# Altium PCB 2m_DBoard_TX.PcbDoc (part 3 of 5) (continued)
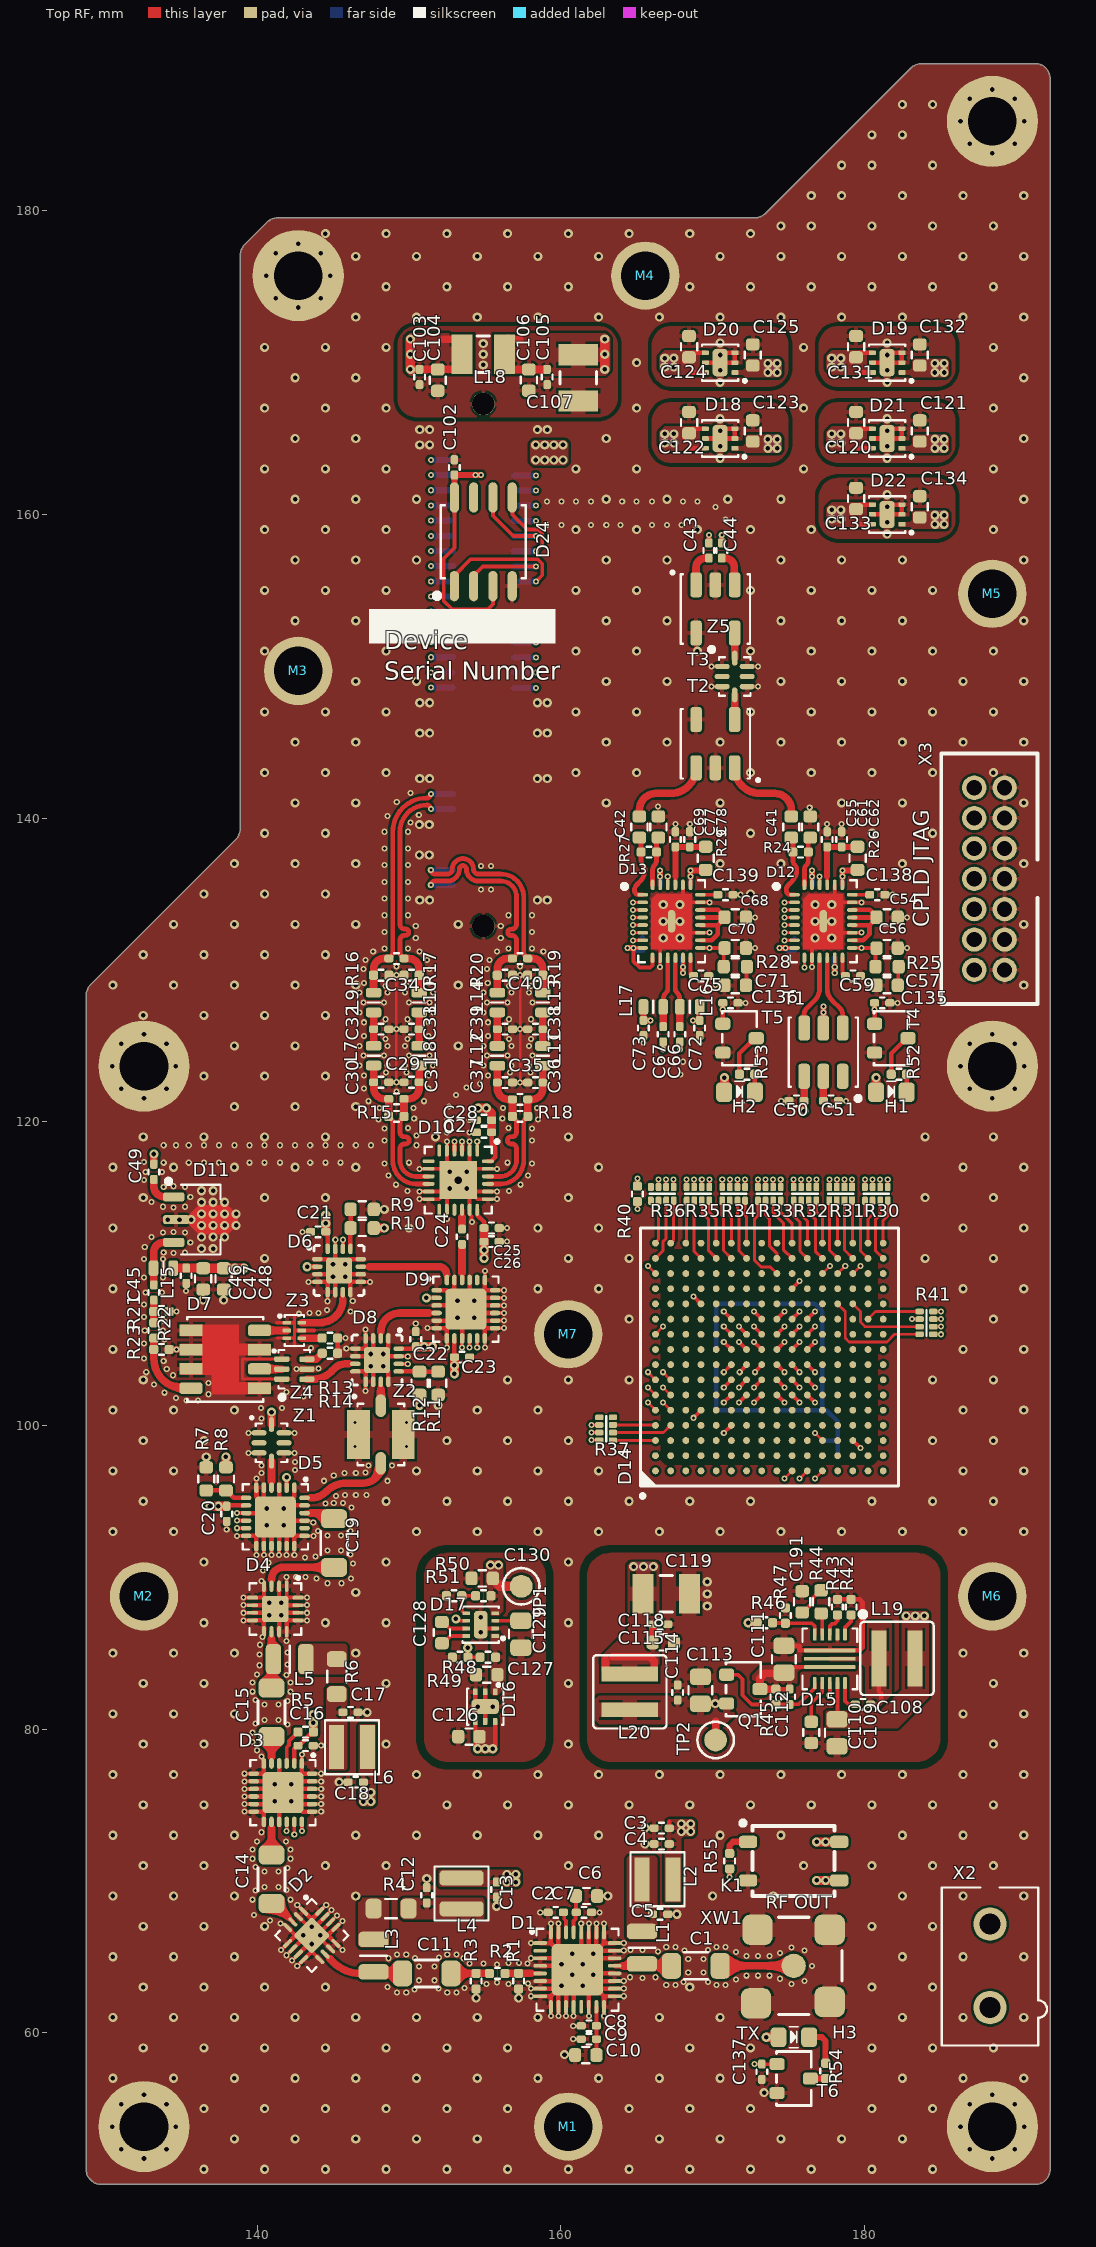
[diagram p0: Top RF view]
## Nets (pads, with @x,y where several pads share a name; then routed paths per layer and width w, separated by ;. In a path a pad name is that pad's centre, name@x,y a point inside that pad or via, vN(x,y) a via of type N, cw(c..) or ccw(c..) an arc to the next point about the centre after c; other vN are vias at no path point) (continued)
  other v2: 160.825,59.575 160.825,60.45 149.225,62.65 149.825,62.65 152.525,62.65 153.125,62.65 150.375,62.85 151.95,62.9 153.65,62.95 148.6,63 166.95,63.15 167.55,63.15 170.25,63.15 170.85,63.15 155.1,63.2 156.55,63.2 175.2,63.2 157.85,63.25 155.8,63.3 168.1,63.35 169.7,63.35 176.05,63.4 150.675,63.45 151.675,63.45 171.55,63.5 174.45,63.55 165.4,63.6 164.55,63.65 166.25,63.65 172.25,63.75 173,63.75 173.75,63.75 168.4,63.95 169.4,63.95 150.675,64.35 151.675,64.35 176.55,64.4 155.8,64.5 154,64.55 154.9,64.55 157.8,64.55 156.55,64.6 157.25,64.6 168.4,64.85 169.4,64.85 148.65,64.9 150.4,64.9 153.6,64.9 151.975,64.95 172.25,65.05 173,65.05 173.75,65.05 149.225,65.15 149.825,65.15 152.525,65.15 153.125,65.15 174.45,65.25 171.55,65.3 166.4,65.35 168.15,65.4 176.05,65.4 164.6,65.45 165.4,65.45 169.7,65.45 175.2,65.6 166.95,65.65 167.55,65.65 170.25,65.65 170.85,65.65 158.05,65.9 141.55,67.2 140.85,67.4 139.8,67.755 158.65,67.925 162.55,67.925 139.7,68.755 142.2,68.755 139.9,69.35 141.95,69.4 140.5,69.605 141.4,69.605 140.5,70.605 141.4,70.605 142,70.855 139.9,70.905 139.7,71.455 142.2,71.455 139.7,72.055 142.2,72.055 140,72.6 141.9,72.6 140.3,73.2 144.225,74.555 144.225,75.055 144.225,75.555 144.225,76.055 144.225,76.555 144.225,77.055 140.3,78.2 140,78.6 144.225,78.905 139.7,79.155 139.7,79.755 142,80.305 139.9,80.355 140.5,80.605 141.4,80.605 140.5,81.605 141.4,81.605 142,81.855 139.9,81.905 139.7,82.455 142.2,82.455 139.7,83.055 142.2,83.055 141.95,83.55 140,83.6 140.15,84.2 142,84.25 140.15,84.9 142,85.05 140.2,85.55 140.35,86.05 144.65,89.6 145.55,89.6 140.3,89.75 143.925,89.9 146.175,89.9 142.55,90 143.2,90 140.4,90.45 146.325,90.9 140.75,90.95 143.15,91.3 143.85,91.35 146.15,91.5 144.625,91.75 145.525,91.75 144.625,92.75 145.525,92.75 144,93.05 146.15,93.05 138,93.15 143.7,93.6 146.325,93.6 146.225,94.6 144.5,94.85 145.05,94.9 145.65,94.9 145.2,95.35 145.8,95.4 146.5,95.4 147.2,95.4 144.4,96.35 148.6,96.35 145.05,96.7 140.3,96.85 145.75,96.85 146.5,96.85 147.15,96.9 142.5,97.05 140.3,97.35 147.35,97.35 148.9,97.35 142.5,97.6 139.425,98.19 142.475,98.19 139.425,99.51 142.475,99.51 140.3,100.45 142.75,100.95 140.25,101.15 141.65,101.15 135.35,101.65 136.1,101.65 134.65,101.8 143.05,101.9 136.8,102.05 133.9,102.15 141.95,102.2 133.2,102.7 136.8,102.8 134.45,103.3 132.7,103.5 171.79,103.5 172.79,103.5 134.05,103.7 142.6,103.7 144.05,103.75 133.85,104.25 132.55,104.4 143.55,105.1 132.55,105.4 133.9,105.65 145.825,105.75 132.6,106.25 133.8,106.25 150.45,106.7 133.9,106.85 132.55,107.15 142.75,107.35 143.45,107.4 144.05,107.4 134.7,107.5 146.15,107.5 144.6,107.6 132.55,107.95 146.3,108.2 132.65,108.75 133.75,108.75 135.331,108.862 132.55,109.75 133.8,109.75 132.55,110.95 133.8,110.95 134.5,111.35 133.85,111.4 135.25,111.4 132.6,111.75 135.6,112.05 156.45,112.1 133.05,112.4 133.8,112.7 135.25,112.7 134.5,112.75 143,112.75 156.45,113 134.5,114.35 133.8,114.4 135.25,114.4 133.05,114.7 135.6,115.05 149.9,115.45 156.6,115.45 133.85,115.7 135.25,115.7 134.5,115.75 149.15,115.85 157.35,115.85 132.55,116.15 148.65,116.45 157.85,116.45 132.65,116.7 133.75,116.7 148.4,117.25 158.1,117.25 133.85,117.3 135.5,117.3 136.5,117.3 137.5,117.3 139.5,117.3 140.5,117.3 141.5,117.3 143.5,117.3 144.5,117.3 145.5,117.3 150,117.3 156.5,117.3 132.55,117.35 133.85,118.45 134.65,118.45 135.5,118.45 136.5,118.45 137.5,118.45 138.5,118.45 139.5,118.45 140.5,118.45 141.5,118.45 142.5,118.45 143.5,118.45 144.5,118.45 145.5,118.45 146.5,118.45 147.5,118.45 150.5,118.45 148.4,118.75 158.1,118.75 150.5,119.1 152.5,119.3 154,119.3 148.4,119.55 158.1,119.55 149.95,119.6 156.55,119.6 152.5,120.1 154,120.1 148,120.15 158.5,120.15 150.35,120.2 156.15,120.2 148.05,120.9 150.3,120.9 156.2,120.9 158.45,120.9 152.65,121 147.35,121.35 151,121.35 174.525,121.375 178.8,121.375 153.1,121.75 149.175,122 147.05,122.2 151.3,122.2 153.8,122.25 154.7,122.5 147.05,123.05 151.3,123.05 155.2,123.05 167.9,123.1 148.5,123.25 149.85,123.25 156.65,123.25 158,123.25 146.75,123.7 148.6,123.7 149.75,123.7 151.6,123.7 154.9,123.7 156.75,123.7 157.9,123.7 166.5,123.95 168.05,123.95 147,124.35 148.35,124.35 150,124.35 151.35,124.35 155.15,124.35 156.5,124.35 158.15,124.35 146.75,125 148.6,125 149.75,125 151.6,125 154.9,125 156.75,125 157.9,125 165.45,125.175 169.15,125.175 148.45,125.45 149.9,125.45 156.6,125.45 158.05,125.45 147.05,125.65 151.3,125.65 155.2,125.65 147.05,126.55 151.3,126.55 155.2,126.55 148.45,126.75 149.9,126.75 156.6,126.75 158.05,126.75 146.75,127.2 151.6,127.2 154.9,127.2 172.175,127.825 182.175,127.825 147,127.85 148.35,127.85 150,127.85 151.35,127.85 155.15,127.85 156.5,127.85 158.15,127.85 146.75,128.5 148.6,128.5 149.75,128.5 151.6,128.5 154.9,128.5 156.75,128.5 157.9,128.5 148.45,128.95 149.9,128.95 156.6,128.95 158.05,128.95 170.2,129 180.2,129 147.042,129.15 151.308,129.15 155.192,129.15 147,130.05 151.35,130.05 155.15,130.05 149.175,130.225 157.325,130.225 147.15,130.65 151.2,130.65 155.3,130.65 147.65,131.2 150.7,131.2 155.8,131.2 158.85,131.2 148.4,131.4 149.95,131.4 156.55,131.4 158.1,131.4 172.8,131.437 182.8,131.437 150.45,132.1 156.05,132.1 148.4,132.5 158.1,132.5 150.45,132.9 156.05,132.9 172.8,133.462 182.8,133.462 148.4,133.6 149.95,133.6 156.55,133.6 158.1,133.6 148.4,134.7 149.95,134.7 171.85,134.95 181.85,134.95 154.75,135.3 155.4,135.3 148.4,135.8 149.95,135.8 154.75,136.85 155.4,136.85 148.4,136.9 149.95,136.9 148.4,138 149.95,138 148.4,139.1 149.95,139.1 167.55,139.6 168.5,139.6 177.55,139.6 178.5,139.6 150.1,139.7 148.6,140.15 150.65,140.2 176.4,140.7 166.4,140.75 149.2,141.05 150.1,141.65 169.934,148.665 172.984,148.665 169.934,149.985 172.984,149.985 159.1,159.3 160.05,159.3 162,159.3 163,159.3 163.95,159.3 166,159.3 167,159.3 167.95,159.3 170.85,159.65 170.2,160.5 159.1,160.85 160.05,160.85 161,160.85 162,160.85 164.05,160.85 165,160.85 166,160.85 168.05,160.85 169,160.85
  other v3: 146.45,98.6 149.85,98.6 146.45,100.2 149.85,100.2
HFREQ_TX: D5.2 D9.2 | length 18.2
  Top RF w0.3: D5.2@141.95,95.9 v1(141.95,96.575) ; v1@151.3,108.4 D9.2@151.825,108.4
  Inner RF w0.35: v1(141.95,96.575) 141.95,98.93 141.95,98.932 cw(c151.288,98.932) 144.686,105.536 145.317,106.167 cw(c150.706,100.782) 150.706,108.4 v1(151.15,108.4)
HFREQ_UPMXD_TX: D8.11 Z2.IN | length 1.6
  Top RF w0.3: 148.15,102.4 D8.11@148.15,102.875
  Top RF w0.5: Z2.IN@148.15,101.3 148.15,102.4
I2C_A0_TX: D24.1 X1.22 | length 9.9
  Top RF w0.25: D24.1@152.995,155.279 152.995,155.979 154.066,157.05 158.488,157.05 158.787,156.751 158.787,156 v2(158.362,155.575)
  Bottom Layer w0.4: X1.22@156.9,155.575 v2(158.362,155.575)
I2C_A1_TX: D24.2 X1.20 | length 6.5
  Top RF w0.25: D24.2@154.265,155.279 154.265,155.979 154.861,156.575 v2(158.362,156.575)
  Bottom Layer w0.4: X1.20@156.9,156.575 v2(158.362,156.575)
IFREQ_LBAND_TX: D8.2 D9.4 | length 4.8
  Top RF w0.3: D8.2@148.15,105.725 148.15,106.154 ; 151.3,107.4 D9.4@151.825,107.4
  Top RF w0.5: 148.15,106.154 cw(c149.4,106.15) 149.4,107.4 151.3,107.4
IFREQ_MBAND_TX: D6.11 D9.24 | length 6.3
  Top RF w0.3: D6.11@146.825,110.45 147.4,110.45 ; 152.481,109.957 cw(c152.481,109.938) 152.5,109.938 D9.24@152.5,109.575
  Top RF w0.5: 147.4,110.45 152,110.45 ; 152.001,110.45 cw(c151.981,109.95) 152.481,109.959 152.481,109.957
JTAG_TCK: R41.6 X3.6 | length 29.6
  Top RF w0.185: R41.6@184.54,106.5 v2(185.04,106.5)
  Inner RF w0.12: v2(185.04,106.5) v2@185.116,106.5
  Signal w0.12: v2(185.04,106.5) 185.049,106.5 185.62,107.071 185.62,107.891 185.281,108.231 185,108.511 185,131.91 187.09,134 X3.6@187.24,134
JTAG_TDI: R41.8 X3.10 | length 32.5
  Top RF w0.185: R41.8@184.54,107.5 v2(185.04,107.5)
  Inner RF w0.12: v2(185.04,107.5) v2@185.116,107.5
  Signal w0.12: v2(185.04,107.5) 185.04,107.849 184.5,108.389 184.5,135.41 187.09,138 X3.10@187.24,138
JTAG_TDO: R41.7 X3.8 | length 31.1
  Top RF w0.185: R41.7@184.54,107 v2(185.04,107)
  Inner RF w0.12: v2(185.04,107) v2@185.116,107
  Signal w0.12: v2(185.04,107) 185.049,107 185.4,107.351 185.4,107.8 185.189,108.011 184.78,108.42 184.75,108.45 184.75,133.66 187.09,136 X3.8@187.24,136
JTAG_TMS: R41.5 X3.4 | length 28.1
  Top RF w0.185: R41.5@184.54,106 v2(185.04,106)
  Inner RF w0.12: v2@185.04,105.93 v2(185.04,106)
  Signal w0.12: v2(185.04,106) 185.049,106 185.84,106.791 185.84,107.982 185.25,108.572 185.25,130.16 187.09,132 X3.4@187.24,132
L/M_path_ctrl1: D8.14 D14.B6 | length 19.4
  Top RF w0.185: v2(166.74,102.5) D14.B6@167.24,102
  Top RF w0.25: D8.14@149.325,104.05 v2(149.925,104.05)
  Signal w0.11: v2(149.925,104.05) 151.019,104.05 153.344,101.725 165.173,101.725 165.593,102.145 166.385,102.145 v2(166.74,102.5)
L/M_path_ctrl2: D6.14 D14.A6 | length 27.4
  Top RF w0.185: v2(165.74,102.5) D14.A6@166.24,102
  Top RF w0.25: D6.14@145.65,111.625 v2(145.65,112.225)
  Signal w0.11: v2(145.65,112.225) 149.875,108 149.875,105.491 153.431,101.935 165.086,101.935 165.506,102.355 165.531,102.355 165.676,102.5 v2(165.74,102.5)
LE_ATT: D3.16 R37.6 | length 40.4
  Top RF w0.185: v2(162.04,100.025) R37.6@162.54,100.025
  Top RF w0.25: v2(141.95,73.28) D3.16@141.95,73.88
  Signal w0.11: v2(141.95,73.28) 142.745,74.075 147.156,74.075 149.38,76.299 149.38,89.774 149.4,89.794 149.4,89.8 158.075,98.475 160.896,98.475 161.475,99.054 161.475,99.462 162.038,100.025 v2(162.04,100.025)
LED_TX: C137.1 D14.L1 T6.1 | length 45.6
  Top RF w0.185: v2(175.74,96.5) D14.L1@176.24,97
  Top RF w0.25: v2(172.75,57.925) C137.1@173.25,57.925 T6.1@174.25,57.925
  Signal w0.2: v2(172.75,57.925) 175,60.175 177.3,62.475 177.3,65.45 175,67.75 175,71.5 177.8,74.3 177.8,81.2 177.082,81.918 177.082,92.914 175.74,94.256 v2(175.74,96.5)
LFREQ_DOWNMXD_TX: D6.2 Z1.IN | length 11.9
  Top RF w0.35: v1(143.3,110.45) D6.2@143.975,110.45
  Top RF w0.5: Z1.IN@140.95,100.055 v1(140.95,100.875)
  Inner RF w0.35: v1(140.95,100.875) 140.95,106.3 140.95,106.301 cw(c145.292,106.301) 142.223,109.373 v1(143.3,110.45)
LO1_REF_TX: C41.1 D12.1 R24.1 | length 4.4
  Top RF w0.315: C41.1@175.293,138.588 R24.1@175.293,137.762 175.293,137.208 ccw(c175.747,137.208) 175.426,136.887 cw(c175.128,136.589) 175.55,136.589 cw(c174.491,136.589) 175.24,135.84 174.991,135.591 ccw(c175.333,135.25) 174.85,135.25 ccw(c175.15,135.25) 175.15,134.95 D12.1@175.4,134.95
LO1_TX: D7.8 R22.1 R23.1 | length 4.9
  Top RF w0.5: R23.1@133.192,105 R23.1@133.2,105 ; R22.1@133.2,105.742 R23.1@133.2,105 ; D7.8@135.644,102.45 D7.8@135.644,102.445 135.155,102.445 cw(c135.155,104.4) 133.2,104.4 R23.1@133.2,105
LO2_REF_TX: C42.1 D13.1 R27.1 | length 4.4
  Top RF w0.315: C42.1@165.293,138.588 R27.1@165.293,137.762 165.293,137.208 ccw(c165.747,137.208) 165.426,136.887 cw(c165.128,136.589) 165.55,136.589 cw(c164.491,136.589) 165.24,135.84 164.991,135.591 ccw(c165.333,135.25) 164.85,135.25 ccw(c165.15,135.25) 165.15,134.95 D13.1@165.4,134.95
LO2_TX_N: C67.2 D10.4 | length 19.7
  Top RF w0.315: D10.4@153,118.1 v2(153,118.7) ; v2(166.75,124.75) C67.2@166.75,125.262
  Inner RF w0.315: v2(153,118.7) 153.018,118.7 153.018,120.149 cw(c154.859,120.149) 154.859,121.99 164.912,121.99 ccw(c164.912,124.144) 167.066,124.144 167.066,124.434 ccw(c166.75,124.434) v2(166.75,124.75)
LO2_TX_P: C66.2 D10.3 | length 19.7
  Top RF w0.315: D10.3@153.5,118.1 v2(153.5,118.7) ; v2(167.85,124.75) C66.2@167.85,125.262
  Inner RF w0.315: v2(153.5,118.7) 153.483,118.7 153.483,120.149 cw(c154.859,120.149) 154.859,121.525 164.912,121.525 ccw(c164.912,124.144) 167.531,124.144 167.531,124.431 cw(c167.85,124.431) v2(167.85,124.75)
MISO_LO1: D12.6 R30.8 | length 20.3
  Top RF w0.185: v2(174.75,132.45) D12.6@175.4,132.45 ; R30.8@180.04,115.7 v2(180.04,116.2)
  Signal w0.11: v2(174.75,132.45) 174.752,132.45 175.155,132.047 175.155,131.303 174.255,130.403 174.255,123.529 180.04,117.744 v2(180.04,116.2)
MISO_LO2: D13.6 R31.8 | length 26.8
  Top RF w0.185: v2(164.75,132.45) D13.6@165.4,132.45 ; R31.8@177.69,115.7 v2(177.69,116.2)
  Signal w0.11: v2(164.75,132.45) 164.752,132.45 165.155,132.047 165.155,131.155 164.06,130.06 164.06,124.551 164.881,123.729 168.006,120.605 173.285,120.605 v2(177.69,116.2)
MISO_TX: R32.6 X1.32 | length 46.6
  Top RF w0.185: R32.6@176.34,115.7 v2(176.34,116.2)
  Signal w0.11: v2(158.362,150.575) v2(158.362,150.575) 158.717,150.218 158.717,149.517 159.995,148.239 159.995,141.232 163.43,137.797 163.43,124.29 167.745,119.975 172.567,119.975 172.987,119.555 176.34,116.202 v2(176.34,116.2)
  Bottom Layer w0.4: X1.32@156.9,150.575 v2(158.362,150.575)
mod_path_ctrl2v: D9.10 D14.B7 | length 16.8
  Top RF w0.185: v2(166.74,103.5) D14.B7@167.24,103
  Top RF w0.25: v2(154,105.125) D9.10@154,105.725
  Signal w0.11: v2(154,105.125) 154,103.5 155.355,102.145 164.887,102.145 165.385,102.643 165.385,102.647 165.593,102.855 165.597,102.855 166.095,103.353 166.242,103.5 v2(166.74,103.5)
mod_path_ctrl3v: D9.11 D14.A7 | length 15.2
  Top RF w0.185: v2(165.74,103.5) D14.A7@166.24,103
  Top RF w0.25: v2(154.5,105.125) D9.11@154.5,105.725
  Signal w0.11: v2(154.5,105.125) 154.5,103.297 155.442,102.355 164.595,102.355 v2(165.74,103.5)
MOSI_ATT: D3.18 R37.8 | length 38.7
  Top RF w0.185: v2(162.04,99.025) R37.8@162.54,99.025
  Top RF w0.25: v2(142.95,73.28) D3.18@142.95,73.88
  Signal w0.11: v2(142.95,73.28) 143.014,73.28 143.389,73.655 147.33,73.655 149.8,76.125 149.8,89.6 158.255,98.055 161.07,98.055 v2(162.04,99.025)
MOSI_LO1: D12.5 R30.7 | length 21
  Top RF w0.185: v2(174.75,132.95) D12.5@175.4,132.95 ; R30.7@180.54,115.7 v2(180.54,116.2)
  Signal w0.11: v2(174.75,132.95) 174.752,132.95 175.365,132.337 175.365,131.216 174.465,130.316 174.465,123.616 180.54,117.541 v2(180.54,116.2)
MOSI_LO2: D13.5 R31.7 | length 27.6
  Top RF w0.185: v2(164.75,132.95) D13.5@165.4,132.95 ; R31.7@178.19,115.7 v2(178.19,116.2)
  Signal w0.11: v2(164.75,132.95) 164.752,132.95 165.365,132.337 165.365,131.068 164.27,129.973 164.27,124.638 164.968,123.939 168.093,120.815 173.577,120.815 178.19,116.202 v2(178.19,116.2)
MOSI_TX: R32.7 X1.34 | length 45.3
  Top RF w0.185: R32.7@175.84,115.7 v2(175.84,116.2)
  Signal w0.11: v2(158.362,149.575) 159.785,148.152 159.785,141.145 163.22,137.71 163.22,124.203 167.658,119.765 172.277,119.765 175.84,116.202 v2(175.84,116.2)
  Bottom Layer w0.4: X1.34@156.9,149.575 v2(158.362,149.575)
MUTE_LO1: D12.9 D14.P14 | length 25.1
  Top RF w0.185: v2(176.05,130.15) D12.9@176.05,130.8 ; D14.P14@179.24,110 v2(179.74,110.5)
  Signal w0.11: v2(176.05,130.15) 175.095,129.195 175.095,123.877 181.136,117.836 181.895,117.077 181.895,112.655 v2(179.74,110.5)
NetC1_1: C1.1 XW1.S | length 4.8
  Top RF w0.5: C1.1@170.5,64.4 XW1.S@175.34,64.4
NetC1_2: C1.2 D1.21 L1.1 | length 3.8
  Top RF w0.3: D1.21@163.55,64.4 164.1,64.4
  Top RF w0.5: 164.1,64.4 C1.2@167.3,64.4
NetC2_1: C2.1 D1.30 | length 1.4
  Top RF w0.25: C2.1@160.175,67.925 160.229,67.871 160.229,67.471 160.35,67.35 D1.30@160.35,66.6
NetC5_2: C5.2 L1.2 L2.2
NetC6_1: C6.1 C7.2 D1.29 | length 2.5
  Top RF w0.25: D1.29@160.85,66.6 160.85,67.35 160.971,67.471 160.971,67.871 C7.2@161.025,67.925 ; C6.1@161,69 161.012,68.988 C7.2@161.012,67.937
NetC8_2: C8.2 C9.2 C10.1 D1.15 | length 3.2
  Top RF w0.25: C10.1@162.35,58.525 C9.2@162.35,59.575 C8.2@162.35,60.45 D1.15@162.35,61.7
NetC11_1: C11.1 R2.2 R3.1 | length 2.5
  Top RF w0.5: C11.1@152.775,63.9 R3.1@154.425,63.9 R2.2@155.317,63.9
NetC11_2: C11.2 D2.10 L3.1 | length 5.5
  Top RF w0.3: D2.10@144.484,65.168 144.487,65.168 144.8,64.855
  Top RF w0.5: 144.8,64.855 145.012,64.644 ccw(c146.808,66.44) 146.808,63.9 C11.2@149.575,63.9
NetC12_2: C12.2 L4.2 R4.2
NetC14_1: C14.1 D2.3 | length 2.1
  Top RF w0.3: 142,67.655 142.363,67.293 D2.3@142.363,67.289
  Top RF w0.5: C14.1@141.15,68.505 C14.1@140.95,68.505 cw(c140.95,68.022) 141.292,68.364 142,67.655
NetC14_2: C14.2 D3.14 | length 2.2
  Top RF w0.3: 140.95,73.451 D3.14@140.95,73.88
  Top RF w0.5: C14.2@140.95,71.705 140.95,73.438 cw(c141.45,73.438) 140.95,73.45 140.95,73.451
NetC15_1: C15.1 D3.5 | length 1.8
  Top RF w0.3: D3.5@140.95,77.73 140.95,78.159
  Top RF w0.5: 140.95,78.159 cw(c141.45,78.173) 140.95,78.171 C15.1@140.95,79.505
NetC15_2: C15.2 D4.10 L5.1 | length 3.7
  Top RF w0.3: 140.95,85.905 D4.10@140.95,86.405
  Top RF w0.5: C15.2@140.95,82.705 140.95,85.905
NetC17_2: C17.2 L6.2 R6.2
NetC19_1: C19.1 D4.3 | length 5
  Top RF w0.3: D4.3@140.95,89.405 140.95,89.875
  Top RF w0.5: 140.95,89.875 cw(c141.725,89.875) 141.725,90.65 C19.1@145.075,90.65
NetC19_2: C19.2 D5.22 | length 2.8
  Top RF w0.3: D5.22@143.125,94.225 143.554,94.225
  Top RF w0.5: 143.554,94.225 145.075,94.225 C19.2@145.075,93.85 144.782,94.143 C19.2@144.782,94.225
NetC24_1: C24.1 D10.16 | length 1.3
  Top RF w0.3: 153.5,113.7 D10.16@153.5,114.2
  Top RF w0.5: C24.1@153.5,112.925 153.5,113.7
NetC24_2: C24.2 D9.22 | length 2.4
  Top RF w0.3: D9.22@153.5,109.575 153.5,110.05
  Top RF w0.5: 153.5,110.05 C24.2@153.5,111.925
NetC32_1: C32.1 L7.1 L9.2 | length 2.2
  Top RF w0.5: L7.1@147.675,125 C32.1@147.675,126.1 L9.2@147.675,127.2
NetC33_2: C33.2 L8.1 L10.2 | length 2.2
  Top RF w0.5: L8.1@150.675,125 C33.2@150.675,126.1 L10.2@150.675,127.2
NetC38_1: C38.1 L11.1 L13.2 | length 2.2
  Top RF w0.5: L11.1@158.825,124.988 C38.1@158.825,126.1 L13.2@158.825,127.2
NetC39_2: C39.2 L12.1 L14.2 | length 2.2
  Top RF w0.5: L12.1@155.825,124.988 C39.2@155.825,126.1 L14.2@155.825,127.2
NetC41_2: C41.2 T2.1 | length 5.7
  Top RF w0.5: T2.1@171.454,143.31 ccw(c173.139,143.31) 173.139,141.625 174.093,141.625 cw(c174.093,140.532) 175.186,140.532 C41.2@175.186,140.113
NetC42_2: C42.2 T2.3 | length 5.7
  Top RF w0.5: C42.2@165.182,140.113 165.182,140.532 cw(c166.275,140.532) 166.275,141.625 167.229,141.625 ccw(c167.229,143.31) T2.3@168.914,143.31
NetC43_1: C43.1 T3.1 | length 2.3
  Top RF w0.5: T3.1@168.909,155.365 168.909,156.5 cw(c169.534,156.5) 169.534,157.125 C43.1@169.759,157.125
NetC44_1: C44.1 T3.3 | length 2.3
  Top RF w0.5: C44.1@170.609,157.125 170.809,157.125 cw(c170.809,156.5) 171.434,156.5 T3.3@171.434,155.385
NetC45_1: C45.1 D11.3 L15.1 | length 3.9
  Top RF w0.5: C45.1@133.2,109.25 cw(c133.2,109.269) 133.181,109.269 L15.1@133.181,110.354 133.181,111.381 cw(c133.85,111.381) 133.85,112.05 D11.3@134.511,112.05
NetC45_2: C45.2 R21.1 R22.2 | length 1.5
  Top RF w0.5: R22.2@133.2,106.758 C45.2@133.2,108.25
NetC49_1: C49.1 C50.2 T1.3 | length 46.6
  Top RF w0.5: C49.1@133.2,117.2 v1(133.2,117.875) ; v1(176.025,120.7) C50.2@176.025,121.375 176.028,121.375 176.028,122.993 T1.3@176.03,122.995
  Inner RF w0.35: v1(133.2,117.875) 169.128,117.875 169.205,117.875 ccw(c169.205,127.52) v1(176.025,120.7)
NetC49_2: C49.2 D11.1 | length 2.2
  Top RF w0.5: C49.2@133.2,116.2 133.2,115.75 ccw(c133.9,115.75) D11.1@133.9,115.05 ; D11.1@133.85,115.05 D11.1@133.9,115.05 ; D11.1@134.511,115.05 D11.1@133.9,115.05
NetC51_1: C51.1 T1.2 | length 1.6
  Top RF w0.5: C51.1@177.3,121.375 T1.2@177.3,122.995
NetC54_2: C54.2 D12.16 D12.18 D12.19 D12.20 | length 7.3
  Top RF w0.3: D12.16@179.2,131.95 179.936,131.95 180.337,132.35 180.337,132.95 ; D12.18@179.2,132.95 180.337,132.95 ; D12.19@179.2,133.45 C54.2@180.599,133.45 ; D12.20@179.2,133.95 180.361,133.95 180.787,133.524 C54.2@180.787,133.45 ; C54.2@180.599,133.412 C54.2@180.599,133.45 ; C54.2@180.599,133.512 C54.2@180.599,133.45 ; C54.2@180.799,133.462 C54.2@180.787,133.45 ; 180.337,132.95 180.787,133.4 C54.2@180.787,133.45 ; C54.2@180.599,133.45 C54.2@180.787,133.45
NetC55_1: C55.1 D12.28 R24.2 | length 3.1
  Top RF w0.315: D12.28@176.05,135.6 176.05,136.589 cw(c176.472,136.589) 176.174,136.887 ccw(c175.853,137.208) 176.307,137.208 176.307,137.762 C55.1@176.307,138.588
NetC56_2: C56.2 D12.15 D12.26 R25.1 | length 9.8
  Top RF w0.25: D12.26@177.05,135.6 v2(177.05,136.15) ; D12.15@179.2,131.45 v2(179.8,131.45) 180.837,131.45 180.737,131.35 R25.1@180.737,130.212
  Inner RF w0.25: v2(177.05,136.15) 177.85,136.15 179.199,134.801 179.199,132.051 v2(179.8,131.45)
NetC57_2: C57.2 R25.2 | length 1.3
  Top RF w0.25: C57.2@182.199,128.987 182.23,129.018 182.23,130.181 R25.2@182.261,130.212
NetC59_2: C59.2 D12.14 | length 1.3
  Top RF w0.25: D12.14@178.55,130.8 178.55,129.725 C59.2@178.675,129.6
NetC61_2: C61.2 C62.2 D12.25 R26.1 | length 4.4
  Top RF w0.25: D12.25@177.55,135.6 177.55,136.15
  Top RF w0.4: 177.55,136.15 C61.2@177.55,138.05 ; C61.2@177.6,138.1 C62.2@178.5,138.1 ; C62.2@178.506,138.106 R26.1@179.544,138.106
NetC65_2: C65.2 D12.7 | length 1.4
  Top RF w0.25: v2(174.75,131.95) D12.7@175.4,131.95
  Bottom Layer w0.25: v2(174.75,131.95) 175.275,131.95 175.4,132.075 C65.2@175.4,132.1
NetC66_1: C66.1 D13.12 L16.1 | length 4.6
  Top RF w0.315: D13.12@167.55,130.8 167.55,128.757 ccw(c167.896,128.757) 167.651,128.512 cw(c167.168,128.029) 167.851,128.029 L16.1@167.851,127.562
  Top RF w0.5: C66.1@167.849,126.262 L16.1@167.849,127.562
NetC67_1: C67.1 D13.11 L17.1 | length 4.6
  Top RF w0.315: L17.1@166.749,127.562 166.749,128.029 cw(c167.432,128.029) 166.949,128.512 ccw(c166.704,128.757) 167.05,128.757 D13.11@167.05,130.8
  Top RF w0.5: C67.1@166.749,126.262 L17.1@166.749,127.562